# KiCad board mtr_led_system_map.kicad_pcb (continued)
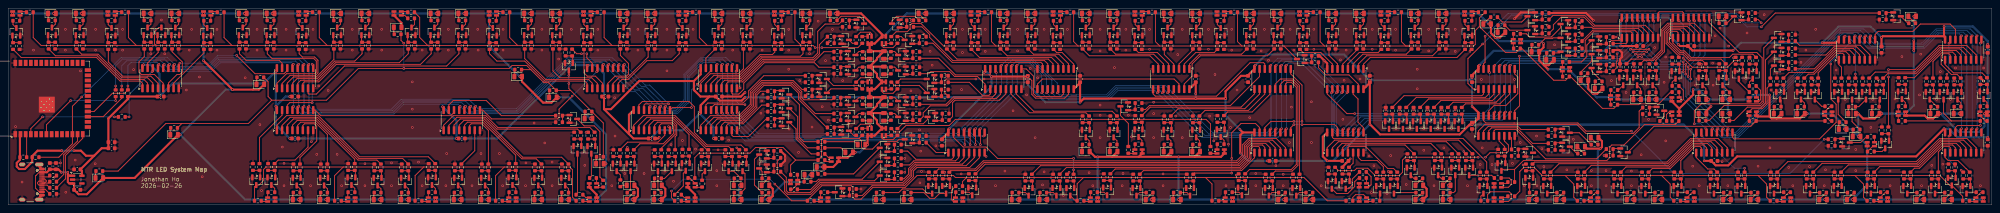
[diagram p0: board, top side]
## Routing (per net, layer and track width the routed paths; a pad name or vN(x,y) marks a point on that pad's centre or on a via; arc(x,y) is an arc through that point) (continued)
+5V: length 1525.2
  Top w0.2: J1.A9 7.6,3.2 6.7,4.1 6.7,7.1 6.8,7.2 6.8,7.2 7.6,8 J1.A4
  Top w0.5: v1(412.3,28.3) 412.3,27.02 408.9,23.62 ; v1(472.8,22.4) D_TKL_HAH_POA1.2 471.04,21.2 469.7,21.2 468.97,21.92 D_TKL_HAH1.4 v1(464.3,22.4) D_TKL_HAH1.1 ; D_DOOR_G1.2 v1(466.3,46.3) ; 124.3,0.95 v1(124.3,1.3) D_ISL_SHW1.1 ; 431,21.7 428.02,21.7 D_TKL_TIK1.4 D_TKL_TIK1.1 ; 431,21.7 431.5,21.2 432.74,21.2 ; 431,21.7 v1(431,27) ; 375.8,34.3 376.94,34.3 D_KTL_KWT_NTK1.2 ; 375.8,34.3 v1(376.8,33.3) ; 375.8,34.3 374.64,35.46 D_KTL_NTK_KWT1.2 375.7,38.66 v1(375.7,39.6) ; v1(214.3,41.4) D_KTL_PRE1.1 212.03,39.6 D_TWL_PRE1.1 210.8,39.6 ; v1(214.3,41.4) D_KTL_PRE1.4 ; v1(214.3,41.4) 208.7,47 D_TWL_PRE_SSP1.2 v1(202.4,47) ; D_ISL_SWH1.1 v1(412.6,1.3) 412.6,0.95 ; 283.34,11.8 276.67,11.8 ; 283.34,11.8 290.34,11.8 ; 283.34,11.8 D_KTL_HOM_WHA1.2 ; 276.67,11.8 D_KTL_HOM1.4 D_KTL_HOM1.1 ; 276.67,11.8 270.14,11.8 ; D_KTL_KWT1.1 D_KTL_KWT1.4 ; 483.3,0.95 v1(483.3,1.3) D_ISL_CHW1.1 ; D_TKL_POA_HAH1.2 v1(477.4,22.4) ; D_TKL_TIK_YAT1.2 v1(420.8,22.4) ; D_KTL_WTS1.1 v1(295.8,47) ; D_ISL_SHW_SYP1.2 v1(117.1,1.3) ; D_KTL_SKM_PRE1.2 v1(230.9,47) ; D_KTL_WTS_LOF1.2 v1(291.1,47) ; D_KTL_YMT1.1 D_KTL_YMT1.4 ; D_KTL_YMT1.1 212.6,20.02 212.6,20.74 D_TWL_YMT_MOK1.2 ; D_KTL_YMT1.1 212.03,17 D_TWL_YMT1.1 D_TWL_YMT1.4 210.3,16.97 v1(210.3,14.8) D_TWL_YMT_JOR1.2 ; D_KTL_YMT_HOM1.2 265.94,11.8 v1(266.6,11.8) 270.14,11.8 ; D_TKL_NOP_QUB1.2 347.1,3.94 347.1,2.16 D_ISL_NOP_QUB1.2 v1(345.7,1.3) ; v1(440.2,22.4) D_TKL_TKO_TIK1.2 438.44,21.2 432.74,21.2 ; D_TWL_LAK_MEF1.2 v1(104.7,47) ; D_TWL_SSP_PRE1.2 v1(195.7,47) ; D_TKL_LHP_TKO1.2 v1(452.7,16.8) ; v1(94.4,47) D_TWL_LAK1.1 96.24,44.69 D_TCL_LAK1.2 ; D_TWL_YMT_MOK1.2 D_KTL_YMT_MOK1.2 ; D_TWL_YMT_MOK1.2 212.6,24.34 212.6,24.74 D_KTL_MOK_YMT1.2 D_TWL_MOK_YMT1.2 210.8,28.4 ; D_ISL_NOP1.4 v1(330.6,1.3) 330.6,0.95 ; D_ISL_TAK_QUB1.2 v1(380.2,1.3) ; D_ISL_NOP_FOH1.2 v1(318.8,1.3) ; D_TKL_LHP1.4 v1(454.9,14.9) D_TKL_LHP1.1 ; D_TKL_TKO_LHP1.2 v1(449.3,18.6) ; D_ISL_TIH1.1 v1(266.6,1.3) ; D_TWL_ADM1.4 166.3,4.32 168.1,2.52 v1(168.1,1.3) ; 484.3,22.4 D_TKL_POA1.1 ; 484.3,22.4 v1(483.6,22.4) ; 484.3,22.4 D_TKL_POA1.4 ; D_KTL_TIK1.4 v1(426,25.9) D_KTL_TIK1.1 ; D_TWL_SSP_CSW1.2 v1(181.1,47) ; D_ISL_SKW_HFC1.2 v1(444.5,1.3) ; D_KTL_LAT1.1 v1(393.9,26.4) D_KTL_LAT1.4 ; D_TWL_KWH_TWH1.2 v1(41.3,47) ; D_TCL_HOK1.2 v1(146.3,10.1) ; D_TWL_KWH1.1 v1(47.8,47) ; D_KTL_WHA_HOM1.2 290.34,11.8 ; 290.34,11.8 296.77,11.8 D_KTL_WHA1.4 D_KTL_WHA1.1 ; 14.6,7.5 14.6,5.6 14.95,5.25 U2.3 16.12,4.89 C5.1 17.23,2.6 19.24,2.6 D_TCL_TUC1.2 30.94,6.6 D_TCL_SUN1.2 v1(42.1,17.2) ; 14.6,7.5 14.95,7.15 U2.1 ; 14.6,7.5 v1(14.6,8) ; v1(466.3,37.9) v1(466.3,40.3) ; v1(416.7,24.2) 415.54,23.04 D_TKL_YAT_TIK1.2 ; 408.9,23.62 D_KTL_YAT1.1 v1(407.1,25.9) D_KTL_YAT1.4 ; 408.9,23.62 D_TKL_YAT1.1 D_TKL_YAT1.4 ; D_ISL_SWH_SKW1.2 v1(421,1.3) ; D_KTL_LOF_KOT1.2 v1(270.9,47) ; D_ISL_HFC_SKW1.2 v1(451.3,1.3) ; D_KTL_MOK1.1 D_KTL_MOK1.4 ; D_KTL_MOK1.1 212.03,28.4 D_TWL_MOK1.1 210.8,28.4 ; D_KTL_MOK1.1 212.6,31.42 212.6,32.14 D_TWL_MOK_PRE1.2 ; D_ISL_WAC1.1 v1(200.6,1.3) 200.6,0.95 ; D_KTL_LAT_KWT1.2 388.84,27.3 v1(387.8,27.3) 386.64,28.46 D_KTL_KWT_LAT1.2 ; D_KTL_PRE_SKM1.2 v1(224.1,47) ; D_TWL_LCK_MEF1.2 v1(134.5,47) ; D_KTL_KOT1.1 v1(255.7,47) ; 432.74,21.2 D_TKL_TIK_TKO1.2 ; D_TWL_TSW_TWH1.2 v1(11.1,47) ; D_ISL_CAB_TIH1.2 v1(246.9,1.3) ; 104.6,0.95 v1(104.6,1.3) D_ISL_SYP1.1 ; D_DOOR_Y1.2 420.44,46.14 v1(420,45.7) ; D_TWL_MOK_PRE1.2 D_KTL_MOK_PRE1.2 ; D_TWL_MOK_PRE1.2 212.6,35.74 212.6,36.04 D_KTL_PRE_MOK1.2 D_TWL_PRE_MOK1.2 210.8,39.6 ; D_KTL_WTS_DIH1.2 v1(304.3,47) ; D_ISL_KET1.1 v1(65.3,1.3) 65.3,0.95 ; 459.9,0.95 v1(459.9,1.3) D_ISL_HFC1.1 ; D_KTL_YAT_LAT1.2 v1(402.8,25.9) ; D_TWL_KWF_KWH1.2 v1(64.6,47) ; D_KTL_SKM_KOT1.2 v1(244,47) ; v1(362.3,44.4) D_KTL_KOB_NTK1.2 362.84,42.16 v1(363.9,41.1) 365.04,41.1 D_KTL_NTK_KOB1.2 ; D_TWL_PRE1.4 210.8,39.6 ; D_ISL_CHW_HFC1.2 v1(475.1,1.3) ; D_TKL_QUB_YAT1.2 386.34,13.8 v1(389.6,13.8) 390,14.2 390,15.64 D_TKL_YAT_QUB1.2 ; 270.14,11.8 D_KTL_HOM_YMT1.2 ; D_ISL_HKU1.1 84.9,0.95 ; D_KTL_LOF_WTS1.2 v1(284.1,47) ; D_KTL_KOB1.1 356.4,47.35 ; D_KTL_DIH_CHH1.2 v1(324.4,47) ; D_ISL_HKU_KET1.2 v1(77.7,1.3) ; D_KTL_DIH_WTS1.2 v1(311,47) ; D_ISL_FOH1.1 v1(299.6,1.3) 299.6,0.95 ; D_KTL_LOF1.1 v1(275.7,47) ; D_KTL_DIH1.1 v1(316,47) ; D_KTL_LAT_YAT1.2 v1(399,25.9) ; 210.8,28.4 D_TWL_MOK1.4 ; D_TWL_CSW_SSP1.2 v1(174.2,47) ; D_KTL_KOT_LOF1.2 v1(264.1,47) ; D_TWL_LCK_CSW1.2 v1(151,47) ; D_TWL_MEF_LCK1.2 v1(127.6,47) ; D_TWL_MEF_LAK1.2 v1(111.5,47) ; D_ISL_QUB_NOP1.2 v1(352.4,1.3) ; D_KTL_KOT_SKM1.2 v1(250.8,47) ; D_TCL_KOW1.2 v1(142.4,21.2) ; D_TKL_TKO1.1 v1(446.3,22.4) D_TKL_TKO1.4 ; v1(458.5,22.4) D_TKL_HAH_TKO1.2 456.74,21.2 453.9,21.2 v1(452.7,22.4) D_TKL_TKO_HAH1.2 ; D_ISL_TIH_FOH1.2 v1(279.7,1.3) ; D_ISL_KET_HKU1.2 v1(71,1.3) ; D_ISL_HKU_SYP1.2 v1(90.8,1.3) ; J1.A4 9.48,8 C2.1 C1.1 12.27,8.72 v1(13,8) ; D_KTL_TIK_YAT1.2 v1(420.8,25.9) ; D_TWL_TST_JOR1.2 v1(196.2,7.4) ; D_TWL_MEF1.1 v1(117.7,47) ; D_TWL_TST_ADM1.2 187.1,3.94 187.1,2.16 D_ISL_WAC_ADM1.2 v1(185.7,1.3) ; D_ISL_SWH_TAK1.2 v1(404.2,1.3) ; D_TWL_TST1.1 v1(191.4,5.6) D_TWL_TST1.4 ; D_ISL_TIH_CAB1.2 v1(253.7,1.3) ; D_ISL_HFC_CHW1.2 v1(468.3,1.3) ; 330.6,4.32 v1(330.6,4.8) D_TKL_NOP1.4 ; D_TWL_KWF1.1 v1(71.1,47) ; D_ISL_SYP_SHW1.2 v1(110.4,1.3) ; D_ISL_FOH_NOP1.2 v1(312.1,1.3) ; D_TWL_TSW1.1 v1(1.1,47) ; D_KTL_SKM1.1 v1(235.6,47) ; D_TCL_TSY1.2 61.34,28.3 v1(54.9,28.3) v1(47.8,35.4) ; D_TWL_TWH_TSW1.2 v1(17.9,47) ; D_ISL_QUB1.4 v1(363.6,1.3) ; D_TWL_ADM_CEN1.2 160.8,3.94 160.8,2.16 D_ISL_ADM_CEN1.2 v1(159.4,1.3) ; D_TWL_CEN1.4 142.2,4.32 144,2.52 D_ISL_CEN1.1 v1(144,1.3) 144,0.95 ; D_KTL_CHH_KOB1.2 v1(344.6,47) ; D_ISL_FOH_TIH1.2 v1(286.4,1.3) ; D_TWL_TWH_KWH1.2 v1(34.5,47) ; v1(134.8,26.4) D_TCL_OLY1.2 132.94,25.1 130.9,25.1 125.74,30.26 D_TCL_NAC1.2 v1(125.2,31.5) ; D_TWL_LAK_KWF1.2 v1(87.8,47) ; D_ISL_WAC_CAB1.2 v1(213.7,1.3) ; D_ISL_TAK1.1 v1(389,1.3) ; D_ISL_CWB1.1 v1(233.6,1.3) 233.6,0.95 ; D_TKL_QUB1.4 v1(363.6,4.8) 363.6,4.32 ; D_TWL_SSP1.1 v1(187.5,47) ; D_TWL_ADM_TST1.2 v1(178.9,4.8) ; D_KTL_YAT_TIK1.2 v1(416.1,25.9) ; D_ISL_SHW_CEN1.2 v1(130.1,1.3) ; D_TWL_KWF_LAK1.2 v1(80.9,47) ; D_ISL_TAK_SWH1.2 v1(397.4,1.3) ; v1(207.3,12.9) D_TWL_JOR_YMT1.2 205.41,11.57 D_TWL_JOR1.1 D_TWL_JOR1.4 201.88,9.3 D_TWL_JOR_TST1.2 v1(199.2,9.3) ; D_KTL_NTK1.4 D_KTL_NTK1.1 ; D_ISL_SKW_SWH1.2 v1(427.7,1.3) ; D_ISL_QUB_TAK1.2 v1(373.5,1.3) ; D_KTL_CHH_DIH1.2 v1(331.2,47) ; D_ISL_ADM_WAC1.2 v1(178.9,1.3) ; D_TWL_CSW_LCK1.2 v1(157.8,47) ; D_ISL_SKW1.1 v1(436.2,1.3) 436.2,0.95 ; D_ISL_CAB_WAC1.2 v1(220.5,1.3) ; v1(152.7,1.3) D_ISL_CEN_ADM1.2 154.1,2.16 154.1,3.94 D_TWL_CEN_ADM1.2 ; D_TWL_TWH1.1 v1(24.4,47) ; D_KTL_CHH1.1 v1(335.9,47) ; D_TKL_QUB_NOP1.2 v1(352.4,4.8) ; D_ISL_SYP_HKU1.2 v1(97.5,1.3) ; D_KTL_KOB_CHH1.2 v1(351.4,47) ; D_TWL_LCK1.1 v1(140.8,47) ; D_TWL_CSW1.1 v1(164.1,47) ; D_ISL_CEN_SHW1.2 v1(136.7,1.3) ; D_TWL_KWH_KWF1.2 v1(57.8,47)
  Bottom w0.5: v1(199.2,9.3) 198.1,9.3 v1(196.2,7.4) 194.4,5.6 v1(191.4,5.6) 190,5.6 v1(185.7,1.3) ; v1(483.3,1.3) v1(475.1,1.3) v1(468.3,1.3) v1(459.9,1.3) v1(451.3,1.3) ; v1(144,1.3) v1(152.7,1.3) v1(159.4,1.3) v1(168.1,1.3) v1(178.9,1.3) ; v1(144,1.3) 146.3,3.6 v1(146.3,10.1) 146.3,17.3 v1(142.4,21.2) 137.2,26.4 v1(134.8,26.4) ; v1(144,1.3) v1(136.7,1.3) v1(130.1,1.3) v1(124.3,1.3) v1(117.1,1.3) v1(110.4,1.3) v1(104.6,1.3) v1(97.5,1.3) v1(90.8,1.3) v1(84.9,1.3) v1(77.7,1.3) v1(71,1.3) v1(65.3,1.3) 58,1.3 v1(42.1,17.2) 53.2,28.3 v1(54.9,28.3) ; v1(185.7,1.3) v1(200.6,1.3) v1(213.7,1.3) v1(220.5,1.3) v1(233.6,1.3) v1(246.9,1.3) v1(253.7,1.3) v1(266.6,1.3) ; v1(185.7,1.3) v1(178.9,1.3) ; v1(431,27) 427.1,27 v1(426,25.9) v1(420.8,25.9) ; v1(286.4,1.3) v1(299.6,1.3) v1(312.1,1.3) v1(318.8,1.3) v1(330.6,1.3) ; v1(286.4,1.3) v1(286.4,11.8) ; v1(286.4,1.3) v1(279.7,1.3) v1(266.6,1.3) ; v1(117.7,47) v1(127.6,47) v1(134.5,47) v1(140.8,47) v1(151,47) v1(157.8,47) v1(164.1,47) v1(174.2,47) v1(181.1,47) v1(187.5,47) v1(195.7,47) v1(202.4,47) ; v1(117.7,47) v1(111.5,47) v1(104.7,47) v1(94.4,47) v1(87.8,47) v1(80.9,47) v1(71.1,47) v1(64.6,47) v1(57.8,47) v1(47.8,47) ; v1(117.7,47) 117.7,39 v1(125.2,31.5) ; v1(416.1,25.9) 416.1,24.8 v1(416.7,24.2) ; v1(416.1,25.9) 413.7,28.3 v1(412.3,28.3) ; v1(416.1,25.9) v1(420.8,25.9) ; v1(1.1,47) v1(11.1,47) v1(17.9,47) v1(24.4,47) v1(34.5,47) v1(41.3,47) v1(47.8,47) ; v1(420.8,22.4) v1(420.8,25.9) ; v1(420.8,25.9) 420,26.7 v1(420,45.7) ; v1(363.9,41.1) 364.8,40.2 v1(370.1,40.2) 375.1,40.2 v1(375.7,39.6) ; v1(210.3,14.8) 208.4,12.9 v1(207.3,12.9) ; v1(466.3,37.9) 466.3,24.4 v1(464.3,22.4) v1(458.5,22.4) ; v1(452.7,16.8) 454.6,14.9 v1(454.9,14.9) 454.9,4.9 v1(451.3,1.3) ; v1(452.7,16.8) 450.9,18.6 v1(449.3,18.6) 449.3,19.4 v1(446.3,22.4) v1(440.2,22.4) ; v1(452.7,16.8) v1(452.7,22.4) ; v1(389,1.3) v1(397.4,1.3) v1(404.2,1.3) v1(412.6,1.3) v1(421,1.3) v1(427.7,1.3) v1(436.2,1.3) v1(444.5,1.3) v1(451.3,1.3) ; v1(389,1.3) 389,13.2 v1(389.6,13.8) ; v1(389,1.3) v1(380.2,1.3) v1(373.5,1.3) v1(363.6,1.3) ; v1(407.1,25.9) v1(402.8,25.9) v1(399,25.9) 394.4,25.9 v1(393.9,26.4) 388.7,26.4 v1(387.8,27.3) 382.1,33 v1(382.1,33.3) v1(376.8,33.3) ; v1(178.9,1.3) v1(178.9,4.8) ; v1(330.6,1.3) v1(345.7,1.3) v1(352.4,1.3) ; v1(330.6,1.3) v1(330.6,4.8) ; v1(363.6,1.3) v1(363.6,4.8) ; v1(363.6,1.3) v1(352.4,1.3) ; v1(47.8,47) v1(47.8,35.4) ; v1(352.4,4.8) v1(352.4,1.3) ; v1(362.3,44.4) 359.7,47 v1(356.4,47) v1(351.4,47) v1(344.6,47) v1(335.9,47) v1(331.2,47) v1(324.4,47) v1(316,47) v1(311,47) v1(304.3,47) v1(295.8,47) v1(291.1,47) v1(284.1,47) v1(275.7,47) v1(270.9,47) v1(264.1,47) v1(255.7,47) v1(250.8,47) v1(244,47) v1(235.6,47) v1(230.9,47) v1(224.1,47) 219.9,47 v1(214.3,41.4) ; v1(466.3,46.3) v1(466.3,40.3) ; v1(477.4,22.4) v1(472.8,22.4) 477.3,17.9 482.2,17.9 483.6,19.3 v1(483.6,22.4) ; v1(266.6,11.8) v1(266.6,1.3) ; v1(13,8) v1(14.6,8)
GND: length 44.7
  Top w0.5: J1.A1 7.6,9.44 J1.S1 ; R594.2 482.6,31.2 v1(483.4,30.4) ; R462.2 190.1,10.82 v1(190.1,11.5) 190.1,12.17 R454.2 ; v1(180.3,27.6) 179.3,26.6 C10.2 ; U19.8 322.75,34.74 v1(322,35.5) 320.9,36.6 R516.2 ; J1.S1 7.6,1.76 J1.A12 ; C18.2 326.5,9.32 R422.2 ; C12.2 159,16.3 v1(159.3,16.6) ; v1(387.9,45.3) 386.1,47.1 R488.2 ; v1(368.6,45.7) 370.15,47.25 Q122.2 ; R498.2 392.92,38 394.3,38 394.9,37.4 394.9,36.3 394.4,35.8 394.4,34.62
  vias: v1(1.8,19.2) v1(3.4,5.6) v1(6.2,38) v1(11.3,6.8) v1(12.8,10.3) v1(14,43.1) v1(14,38) v1(14.1,3.1) v1(16.4,11) v1(17.7,32.9) v1(21.3,10.1) v1(21.4,43.1) v1(21.4,38) v1(28,43.1) v1(28,38) v1(30.7,33.2) v1(34.9,37.1) v1(37.5,45.4) v1(38.3,37.1) v1(43.6,28.2) v1(44.3,38) v1(44.9,43.1) v1(46.8,31.4) v1(47.5,6.9) v1(51.1,43.1) v1(51.1,38) v1(58,31.2) v1(60.9,43.1) v1(60.9,38) v1(61.6,19.7) v1(62,3.5) v1(67.1,14.2) v1(67.5,10.2) v1(67.5,4.7) v1(68,43.1) v1(68,38) v1(74,4.7) v1(74.2,15.5) v1(74.6,43.1) v1(74.6,38) v1(75.5,12.4) v1(76,29.2) v1(78.3,28.1) v1(80.5,12.4) v1(81.6,4.7) v1(84.2,43.1) v1(84.2,38) v1(87.3,10.1) v1(87.3,4.7) v1(91.4,43.1) v1(91.4,38) v1(93.8,10.3) v1(93.8,4.7) v1(98.9,30.2) v1(98.9,23.5) v1(98.9,19) v1(99.1,41.7) v1(100.4,10.5) v1(101.3,38) v1(101.3,4.7) v1(107.1,4.7) v1(107.3,12.6) v1(107.7,43.1) v1(107.7,38) v1(113.5,4.7) v1(114.9,43.1) v1(115,38) v1(115.7,12.6) v1(120.2,12.6) v1(121,4.7) v1(121.1,43.1) v1(121.1,38) v1(126.6,4.7) v1(126.7,10.3) v1(128.7,20.1) v1(130.6,43.1) v1(130.6,38) v1(131.3,15.2) v1(133.1,10.5) v1(133.1,4.7) v1(134.7,35.8) v1(137.4,20.7) v1(137.8,43.1) v1(141.1,9.7) v1(141.4,17.8) v1(144.3,43.1) v1(144.3,38) v1(147.7,4.7) v1(148.4,26.3) v1(148.5,16.9) v1(150.9,7.7) v1(151.5,14.1) v1(154.1,43.1) v1(154.1,38) v1(155.6,7.7) v1(160.7,8.3) v1(161.2,43.1) v1(161.2,38) v1(161.2,32.9) v1(161.6,19.2) v1(162.2,14.8) v1(162.8,5.8) v1(165,15.8) v1(167.6,43.1) v1(168.2,13.7) v1(170.1,10.1) v1(173.4,8.4) v1(173.4,4.7) v1(173.7,13.5) v1(176.3,15.9) v1(177.3,43.1) v1(177.3,38) v1(178.3,14) v1(179.1,28.7) v1(179.3,10.1) v1(184.2,22.5) v1(184.4,25.5) v1(184.5,43.1) v1(184.5,38) v1(184.7,27.2) v1(185.6,12.7) v1(185.6,9.3) v1(191,43.1) v1(191,38) v1(191,33.3) v1(191.1,25.4) v1(191.1,22) v1(191.1,18.6) v1(193.4,12.9) v1(193.7,30.5) v1(195.6,27.2) v1(196.1,37.1) v1(196.7,19.1) v1(198.2,45.1) v1(198.5,30.6) v1(198.5,27.2) v1(199.2,24.1) v1(200,35.4) v1(200.7,20.8) v1(200.9,40.1) v1(201.7,43.1) v1(204.1,3.5) v1(204.2,30.5) v1(204.2,18.2) v1(204.8,39.5) v1(205.7,19.9) v1(208.7,3.9) v1(213.3,12.1) v1(213.3,8.6) v1(215.1,14.4) v1(217.7,23.6) v1(218.9,44.5) v1(219.4,11.4) v1(219.4,8) v1(219.6,37.2) v1(219.6,25.5) v1(220.9,28) v1(221,45.3) v1(223,18.4) v1(223.1,5.4) v1(223.3,13.2) v1(223.5,8.2) v1(224.1,41.9) v1(225.6,37.7) v1(226.1,34.3) v1(226.6,31.3) v1(226.6,27.9) v1(226.8,22) v1(227,14.5) v1(229.1,4.6) v1(229.2,8) v1(229.5,31.8) v1(233.2,7.6) v1(233.3,28.3) v1(233.5,43.1) v1(233.5,37.4) v1(235.5,4.2) v1(239.1,43.1) v1(239.1,37.7) v1(239.3,11.9) v1(241.6,4.7) v1(243.9,8.3) v1(245.9,23.1) v1(247,43.1) v1(247,37.8) v1(249.2,27) v1(250.1,33.5) v1(251.3,16.5) v1(251.9,31.2) v1(253.1,4.9) v1(253.5,43.1) v1(253.5,38) v1(253.5,8.1) v1(258.2,2.3) v1(259.2,43.1) v1(259.6,8) v1(264.5,7.9) v1(265.4,4.7) v1(267.2,43.1) v1(267.2,37.8) v1(267.2,24.5) v1(267.2,22) v1(267.2,16.5) v1(270.7,33.7) v1(272.6,4.7) v1(272.8,7.7) v1(273.5,43.1) v1(273.5,38) v1(274.1,22) v1(274.9,16.7) v1(279.3,43.1) v1(279.3,38.2) v1(280.3,25.2) v1(280.3,22.4) v1(280.3,16.5) v1(282.6,7.6) v1(282.6,4.7) v1(285.7,21.8) v1(286.2,36.9) v1(287.3,43.1) v1(287.3,16.5) v1(293.7,43.1) v1(293.7,38.2) v1(294,21.8) v1(295,15.7) v1(295.3,32) v1(296.3,18.5) v1(298,4.7) v1(298.6,14.9) v1(299.1,19) v1(299.4,43.1) v1(299.4,38) v1(300.5,7.3) v1(300.7,28.2) v1(303.8,21.4) v1(305.3,7.7) v1(305.3,4.7) v1(306.6,37.8) v1(307.4,43.1) v1(308.4,35.5) v1(310.2,9.6) v1(312,7.5) v1(312,4.7) v1(313.5,15.3) v1(313.7,43.1) v1(314,24) v1(314.6,38) v1(318.9,25.3) v1(318.9,15.3) v1(319.5,43.1) v1(319.5,38.2) v1(321.3,4.7) v1(326,35.6) v1(326.6,21) v1(326.9,30.6) v1(326.9,5.8) v1(327.4,43.1) v1(327.4,38) v1(328.4,11.3) v1(330.8,30.9) v1(333,12) v1(333.6,3) v1(333.8,43.1) v1(333.8,38.2) v1(334.2,9.6) v1(337.1,23.3) v1(337.4,2.8) v1(337.7,8.2) v1(338.3,12.1) v1(339.5,43.1) v1(339.5,38) v1(339.6,18.7) v1(340.5,23.3) v1(342.1,5) v1(343,18.7) v1(343.9,23.3) v1(344.8,33.3) v1(344.8,28.5) v1(346.4,18.7) v1(346.4,13.4) v1(347.3,23.3) v1(347.6,43.1) v1(347.6,37.8) v1(348.9,4.7) v1(349.8,18.7) v1(350.7,23.3) v1(351.3,14) v1(353.2,18.7) v1(353.7,9.1) v1(354.1,43.1) v1(354.1,37.7) v1(354.1,23.3) v1(356.2,13.1) v1(357.1,4.7) v1(357.7,41.6) v1(357.7,37.7) v1(360.2,9.9) v1(360.5,30.8) v1(360.7,14) v1(363.1,9.9) v1(368.1,10.2) v1(368.6,30.8) v1(370,15.3) v1(370.7,9.8) v1(371,4.7) v1(371.3,12.4) v1(373.6,43.3) v1(374,16.9) v1(374.1,4.7) v1(375.3,13.8) v1(375.8,9.4) v1(376.6,44.1) v1(378.4,39.3) v1(381.4,8.6) v1(381.7,44.8) v1(381.7,41.4) v1(383,16.1) v1(384.5,4.6) v1(384.6,44.7) v1(384.6,42.3) v1(384.6,38.9) v1(387.4,8.4) v1(387.4,4.7) v1(387.5,38.7) v1(389.3,40.8) v1(389.3,33.6) v1(390.5,12.1) v1(391,8.4) v1(391,4.7) v1(392.2,33.9) v1(392.3,30.5) v1(393.4,41.2) v1(394.4,34) v1(395.9,27.6) v1(397.2,8.3) v1(397.2,4.7) v1(397.8,34) v1(399.6,12.3) v1(400.7,29.4) v1(401.4,21) v1(402.9,38.6) v1(404.5,8.1) v1(405.2,30.1) v1(405.6,36.3) v1(405.6,15.7) v1(408.1,4.6) v1(408.9,31) v1(412.2,9.5) v1(412.9,29.4) v1(413.8,4.7) v1(414.4,34.5) v1(417.1,34.8) v1(417.2,29.4) v1(417.7,41.5) v1(418.9,43.4) v1(419.4,10.6) v1(420.8,4.7) v1(421,39) v1(422.2,36.1) v1(423.1,32.8) v1(424.1,46.7) v1(425.2,31) v1(425.5,42.2) v1(426.1,35.8) v1(428.2,9.5) v1(429.7,46.7) v1(431.1,14) v1(431.4,28.2) v1(431.7,4.6) v1(432.1,38.8) v1(432.1,35.9) v1(432.8,32.4) v1(435.7,9.2) v1(436.7,4.7) v1(438.3,27.7) v1(438.7,35) v1(439.9,38) v1(440.8,9.4) v1(441.7,30.7) v1(441.7,27.7) v1(442.3,43.1) v1(444.4,4.7) v1(444.7,8.6) v1(447.3,33.1) v1(447.4,27.7) v1(449.5,25.9) v1(452.1,13.6) v1(452.1,8.4) v1(452.9,25.9) v1(454.8,3.1) v1(455.8,19) v1(456.3,25.9) v1(457.6,30.7) v1(458.9,15.7) v1(460.5,8.3) v1(460.5,4.7) v1(461.7,26) v1(463.4,36.4) v1(465.1,26) v1(467.7,27) v1(468,37) v1(468.2,4.7) v1(470.7,9.7) v1(471.9,25.9) v1(472.8,32.7) v1(473.4,10) v1(475.2,6.6) v1(475.3,25.9) v1(476.2,30.5) v1(476.5,33.6) v1(477.9,8.5) v1(478.8,4.6) v1(482.6,4.7) v1(483.4,33.6)
/DATA_1: length 15.4
  Top w0.2: v1(35.2,32.7) 35.39,32.89 U3.14 ; R220.2 v1(29.6,21.6)
  Bottom w0.2: v1(29.6,21.6) 29.6,27.1 v1(35.2,32.7)
/DATA_2: length 17.1
  Top w0.2: U21.14 258.2,27.2 257.6,26.6 251.6,26.6 250.9,27.3 250.9,31.6 249.13,33.37 U22.9
/DATA_3: length 53.5
  Top w0.2: U17.9 416.25,44.75 423.6,37.4 427.9,37.4 429.2,36.1 429.2,25.4 428.6,24.8 414.3,24.8 412.6,23.1 v1(412.6,19.9) ; U13.14 415.59,18.5 v1(415.4,18.7)
  Bottom w0.2: v1(412.6,19.9) 414.2,19.9 v1(415.4,18.7)
/ISL_Y1: length 150.2
  Top w0.2: R120.1 430.3,1.88 430.3,5.1 428.2,7.2 ; 428.2,7.2 404.4,7.2 ; 428.2,7.2 451.1,7.2 ; 381,7.2 404.4,7.2 ; 381,7.2 383.1,5.1 383.1,1.88 R28.1 ; 381,7.2 375.4,7.2 373.4,9.2 370.9,9.2 369.9,8.2 369.9,3.38 R135.1 ; 404.4,7.2 404.6,7.2 406.7,5.1 406.7,1.88 R25.1 ; R117.1 454,1.88 454,5.1 451.9,7.2 451.1,7.2 ; 451.1,7.2 472.7,7.2 475.14,4.76 Q72.3 478.27,2.09 R114.1
/ISL_Y2: length 198
  Top w0.2: 234.5,6.7 233.53,5.72 R111.1 ; 234.5,6.7 231.8,6.7 231.3,7.2 222.4,7.2 219.5,4.3 211.6,4.3 208.7,1.4 207.2,1.4 206.7,1.9 206.7,4.3 206.3,4.7 199.1,4.7 195.58,1.17 R210.1 191.7,1 v1(187.6,5.1) ; 234.5,6.7 263.1,6.7 ; 293,6.7 294.57,5.12 R83.1 ; 293,6.7 263.1,6.7 ; 293,6.7 317.1,6.7 322.8,1 R142.1 ; 263.1,6.7 261.57,5.17 R108.1 261.16,1 Q112.3 ; v1(162.3,3.4) 162.3,1.77 R159.1
  Bottom w0.2: v1(187.6,5.1) 186.4,6.3 165.2,6.3 v1(162.3,3.4)
/ISL_Y3: length 120.7
  Top w0.2: R73.1 79.88,7.17 82,9.3 ; 121.4,9.3 119.28,7.17 R103.1 ; 121.4,9.3 101.7,9.3 ; 121.4,9.3 137.4,9.3 138.1,8.6 138.1,1.88 R100.1 ; R76.1 60.27,4.44 Q64.3 61.36,4.86 62.5,6 62.5,8.7 63.1,9.3 82,9.3 ; 101.7,9.3 99.57,7.17 R70.1 ; 101.7,9.3 82,9.3
/KTL_Y1: length 4.3
  Top w0.2: R238.1 423.5,30.27 Q120.3
/KTL_Y2: length 272.7
  Top w0.2: 360,43.8 359,42.8 359,39.4 358.6,39 342.9,39 ; 360,43.8 360,45.87 R164.1 ; 360,43.8 366.4,37.4 369.02,37.4 R216.1 370.4,38.4 378.2,30.6 381.12,30.6 R213.1 382.3,31.5 390.1,23.7 392.92,23.7 R244.1 399,24.6 399.2,24.8 403.9,24.8 406.8,27.7 R241.1 ; 342.9,39 342,39 340.92,40.07 R167.1 ; 342.9,39 322.1,39 ; 322.1,39 312.2,39 ; 322.1,39 321.02,40.07 R170.1 ; 312.2,39 301.9,39 ; 312.2,39 312.2,38.96 Q136.3 ; 281.8,39 280.72,40.07 R50.1 ; 281.8,39 301.9,39 ; 281.8,39 261.8,39 ; 261.8,39 241.7,39 ; 261.8,39 260.72,40.07 R16.1 ; 241.7,39 240.63,40.07 R19.1 ; 241.7,39 228.9,39 223.4,44.5 221.1,44.5 220.7,44.1 220.7,43.2 220,42.5 217.28,42.5 R22.1 ; 301.9,39 300.82,40.07 R47.1
/KTL_Y3: length 9.7
  Top w0.2: 216.1,30.12 216.93,29.3 222.96,29.3 Q152.3
/KTL_Y4: length 96.4
  Top w0.2: 273.1,21 293.1,21 294.2,19.9 R80.1 ; 273.1,21 272.16,21.94 Q168.3 ; 273.1,21 231.8,21 230.3,19.5 219.7,19.5 218.1,17.9 216.93,17.9 R235.1 ; 273.1,21 274.1,20 R77.1
/S1/DATA_OUT: length 31.2
  Top w0.2: v1(42,34.8) 41.74,34.54 U3.9 ; v1(55.9,36.7) 60.4,32.2 67.5,32.2 68.29,32.99 U4.14
  Bottom w0.2: v1(42,34.8) 49.4,34.8 51.3,36.7 v1(55.9,36.7)
/S1/LED 1/IN: length 5.8
  Top w0.2: R259.1 36.7,37.4 34.12,34.82 34.12,33.57
/S1/LED 2/IN: length 36.3
  Top w0.2: U3.1 32.85,29.84 32.3,30.4 27.4,30.4 21.6,36.2 3.17,36.2 1.2,38.17
/S1/LED 3/IN: length 29
  Top w0.2: 34.12,28.62 34.12,29.87 33.2,30.8 27.6,30.8 21.8,36.6 11.57,36.6 R255.1
/S1/LED 4/IN: length 23.4
  Top w0.2: R249.1 17.98,37 22,37 27.8,31.2 34.1,31.2 35.39,29.9 U3.3
/S1/LED 5/IN: length 18.6
  Top w0.2: U3.4 36.66,29.83 34.9,31.6 28,31.6 24.5,35.1 24.5,38.17
/S1/LED 6/IN: length 14.5
  Top w0.2: R253.1 33.3,36.4 32,35.1 32,32.6 32.6,32 35.8,32 37.93,29.86 U3.5
/S1/LED 7/IN: length 12.5
  Top w0.2: U3.6 39.21,29.9 41.3,32 42,32 42.6,32.6 42.6,35.1 40.1,37.6 R245.1
/S1/LED 8/IN: length 12.6
  Top w0.2: U3.7 40.48,29.87 47.9,37.3 47.9,38.17
/S1/LED_2: length 2.1
  Top w0.2: Q7.3 1.17,44.26 R1.1
/S1/LED_3: length 2.1
  Top w0.2: Q6.3 11.52,44.36 R10.1
/S1/LED_4: length 2.1
  Top w0.2: Q3.3 18.32,44.36 18.32,45.3
/S1/LED_5: length 2.1
  Top w0.2: Q4.3 24.48,44.26 24.48,45.2
/S1/LED_6: length 2.1
  Top w0.2: Q5.3 34.92,44.36 34.92,45.3
/S1/LED_7: length 2.1
  Top w0.2: R14.1 41.73,44.36 Q1.3
/S1/LED_8: length 2.1
  Top w0.2: R3.1 47.87,44.26 Q2.3
/S2/DATA_OUT: length 18
  Top w0.2: U10.14 68.29,24.49 68.9,25.1 v1(74.4,25.1) ; U4.9 74.65,34.25 v1(74.4,34.5)
  Bottom w0.2: v1(74.4,25.1) v1(74.4,34.5)
/S2/LED 1/IN: length 13.8
  Top w0.2: R275.1 56.6,37.1 58.2,35.5 66.3,35.5 67.03,34.77 U4.15
/S2/LED 2/IN: length 28.6
  Top w0.2: 65.75,28.62 65.75,29.85 68.1,32.2 75,32.2 75.4,32.6 75.4,35.3 74.8,35.9 64.6,35.9 63.4,37.1 R273.1
/S2/LED 3/IN: length 20.5
  Top w0.2: 71.2,38.17 71.2,37.1 72,36.3 75,36.3 75.8,35.5 75.8,32.4 75.2,31.8 69,31.8 67.03,29.82 U4.2
/S2/LED 4/IN: length 17.7
  Top w0.2: U4.3 68.29,29.89 69.8,31.4 75.4,31.4 79.7,35.7 R265.1
/S2/LED 5/IN: length 22.4
  Top w0.2: U4.4 69.56,29.86 70.7,31 75.6,31 79.9,35.3 84.8,35.3 86.6,37.1 R267.1
/S2/LED 6/IN: length 32.5
  Top w0.2: R269.1 97.9,37.1 95.7,34.9 80.1,34.9 75.8,30.6 71.6,30.6 70.84,29.83 U4.5
/S2/LED 7/IN: length 36.8
  Top w0.2: U4.6 72.1,29.8 72.5,30.2 76,30.2 80.3,34.5 100.9,34.5 103.5,37.1 R261.1
/S2/LED 8/IN: length 43.5
  Top w0.2: R263.1 110.3,37.1 107.3,34.1 82.3,34.1 75.4,27.2 73.6,27.2 73.38,27.42 U4.7
/S2/LED_1: length 2.1
  Top w0.2: Q16.3 58.23,44.36 R37.1
/S2/LED_2: length 2.1
  Top w0.2: Q15.3 65.03,44.36 R38.1
/S2/LED_3: length 2.1
  Top w0.2: Q14.3 71.18,44.26 71.18,45.2
/S2/LED_4: length 2.1
  Top w0.2: Q11.3 81.32,44.36 R40.1
/S2/LED_5: length 2.1
  Top w0.2: R41.1 88.22,44.36 Q12.3
/S2/LED_6: length 2.6
  Top w0.2: Q13.3 99.43,44.26 R32.1
/S2/LED_7: length 2.1
  Top w0.2: Q9.3 105.12,44.36 R43.1
/S2/LED_8: length 2.1
  Top w0.2: Q10.3 111.93,44.36 R44.1
/S3/DATA_IN: length 36.4
  Top w0.2: U5.14 144.19,32.89 v1(144,32.7) ; v1(138,26.7) 134.8,23.5 134.8,21.5 134.4,21.1 118.3,21.1 116.12,23.27 U9.9
  Bottom w0.2: v1(138,26.7) v1(144,32.7)
/S3/DATA_OUT: length 23.2
  Top w0.2: v1(150.8,34.5) 150.55,34.24 U5.9 ; U8.14 155.59,24.49 155.9,24.8 v1(161.6,24.8)
  Bottom w0.2: v1(150.8,34.5) 155.9,29.4 157,29.4 v1(161.6,24.8)
/S3/LED 1/IN: length 8.1
  Top w0.2: R291.1 139.12,37.1 v1(140.3,37.1) ; v1(141.6,37.1) 141.6,36.1 142.93,34.77 U5.15
  Bottom w0.2: v1(140.3,37.1) v1(141.6,37.1)
/S3/LED 2/IN: length 29.2
  Top w0.2: U5.1 141.66,29.84 141.1,30.4 131.3,30.4 126.4,35.3 119.6,35.3 117.8,37.1 117.8,38.17
/S3/LED 3/IN: length 22.6
  Top w0.2: R287.1 126.4,35.9 131.5,30.8 142,30.8 142.93,29.87 U5.2
/S3/LED 4/IN: length 18.7
  Top w0.2: U5.3 144.19,29.8 142.8,31.2 135,31.2 133.3,32.9 R281.1
/S3/LED 5/IN: length 12.6
  Top w0.2: 140.9,38.17 140.9,32.4 141.7,31.6 143.7,31.6 145.47,29.83 U5.4
/S3/LED 6/IN: length 14.2
  Top w0.2: R285.1 149.8,36.7 151.8,34.7 151.8,32.1 151.3,31.6 148.5,31.6 146.74,29.83 146.74,28.62
/S3/LED 7/IN: length 14.4
  Top w0.2: U5.6 148,29.8 149.4,31.2 151.5,31.2 156.6,36.3 R277.1
/S3/LED 8/IN: length 20.2
  Top w0.2: U5.7 149.28,29.87 150.2,30.8 151.7,30.8 156.3,35.4 162.5,35.4 164.2,37.1 164.2,38.17
/S3/LED_2: length 2.1
  Top w0.2: Q23.3 117.78,44.26 R121.1
/S3/LED_3: length 2.1
  Top w0.2: R129.1 128.03,44.36 Q22.3
/S3/LED_4: length 2.1
  Top w0.2: R130.1 134.93,44.36 Q19.3
/S3/LED_5: length 2.1
  Top w0.2: Q20.3 140.88,44.26 R122.1
/S3/LED_6: length 2.1
  Top w0.2: Q21.3 151.43,44.36 R132.1
/S3/LED_7: length 2.1
  Top w0.2: R133.1 158.22,44.36 Q17.3
/S3/LED_8: length 2.1
  Top w0.2: Q18.3 164.18,44.26 R123.1
/S4/DATA_IN: length 17.2
  Top w0.2: U6.14 172,32.99 v1(168.6,29.6) ; U8.9 162.57,23.9 v1(167.2,23.9)
  Bottom w0.2: v1(168.6,29.6) 167.2,28.2 v1(167.2,23.9)
/S4/DATA_OUT: length 19.9
  Top w0.2: v1(180.3,24.6) 172.8,24.6 172,23.79 U7.14 ; v1(178.1,32.8) 178.34,33.04 U6.9
  Bottom w0.2: v1(180.3,24.6) 179,24.6 178.1,25.5 v1(178.1,32.8)
/S4/LED 1/IN: length 5.6
  Top w0.2: R307.1 170.72,36 U6.15
/S4/LED 2/IN: length 18
  Top w0.2: R305.1 179.9,33.4 178.7,32.2 171.8,32.2 169.46,29.85 U6.1
/S4/LED 3/IN: length 21.9
  Top w0.2: U6.2 170.72,29.82 172.7,31.8 178.9,31.8 184,36.9 187,36.9 187.6,37.5 187.6,38.17
/S4/LED 4/IN: length 27.9
  Top w0.2: U6.3 172,29.79 173.6,31.4 179.1,31.4 184.2,36.5 193.9,36.5 194.5,37.1 R297.1
/S4/LED 5/IN: length 41.6
  Top w0.2: R299.1 203.28,44.4 199.9,44.4 198.1,42.6 198.1,37.3 196.9,36.1 184.4,36.1 179.3,31 174.4,31 173.27,29.86 U6.4
/S4/LED 6/IN: length 33.2
  Top w0.2: R301.1 198.5,39.32 198.5,37.1 197.1,35.7 184.6,35.7 179.5,30.6 175.3,30.6 174.53,29.83 U6.5
/S4/LED 7/IN: length 30.7
  Top w0.2: R293.1 199.6,37.6 197.3,35.3 184.8,35.3 179.7,30.2 176.2,30.2 175.81,29.8 U6.6
/S4/LED 8/IN: length 30.8
  Top w0.2: U6.7 177.08,27.42 177.3,27.2 178.8,27.2 180,28.4 180,29.9 185,34.9 197.3,34.9 198.4,33.8 R295.1
/S4/LED_1: length 2.1
  Top w0.2: R175.1 174.62,44.36 Q32.3
/S4/LED_2: length 2.1
  Top w0.2: R176.1 181.53,44.36 Q31.3
/S4/LED_3: length 2.1
  Top w0.2: R171.1 187.58,44.26 Q30.3